# Altium PCB miniBackplane.PcbDoc (part 19 of 24) (continued)
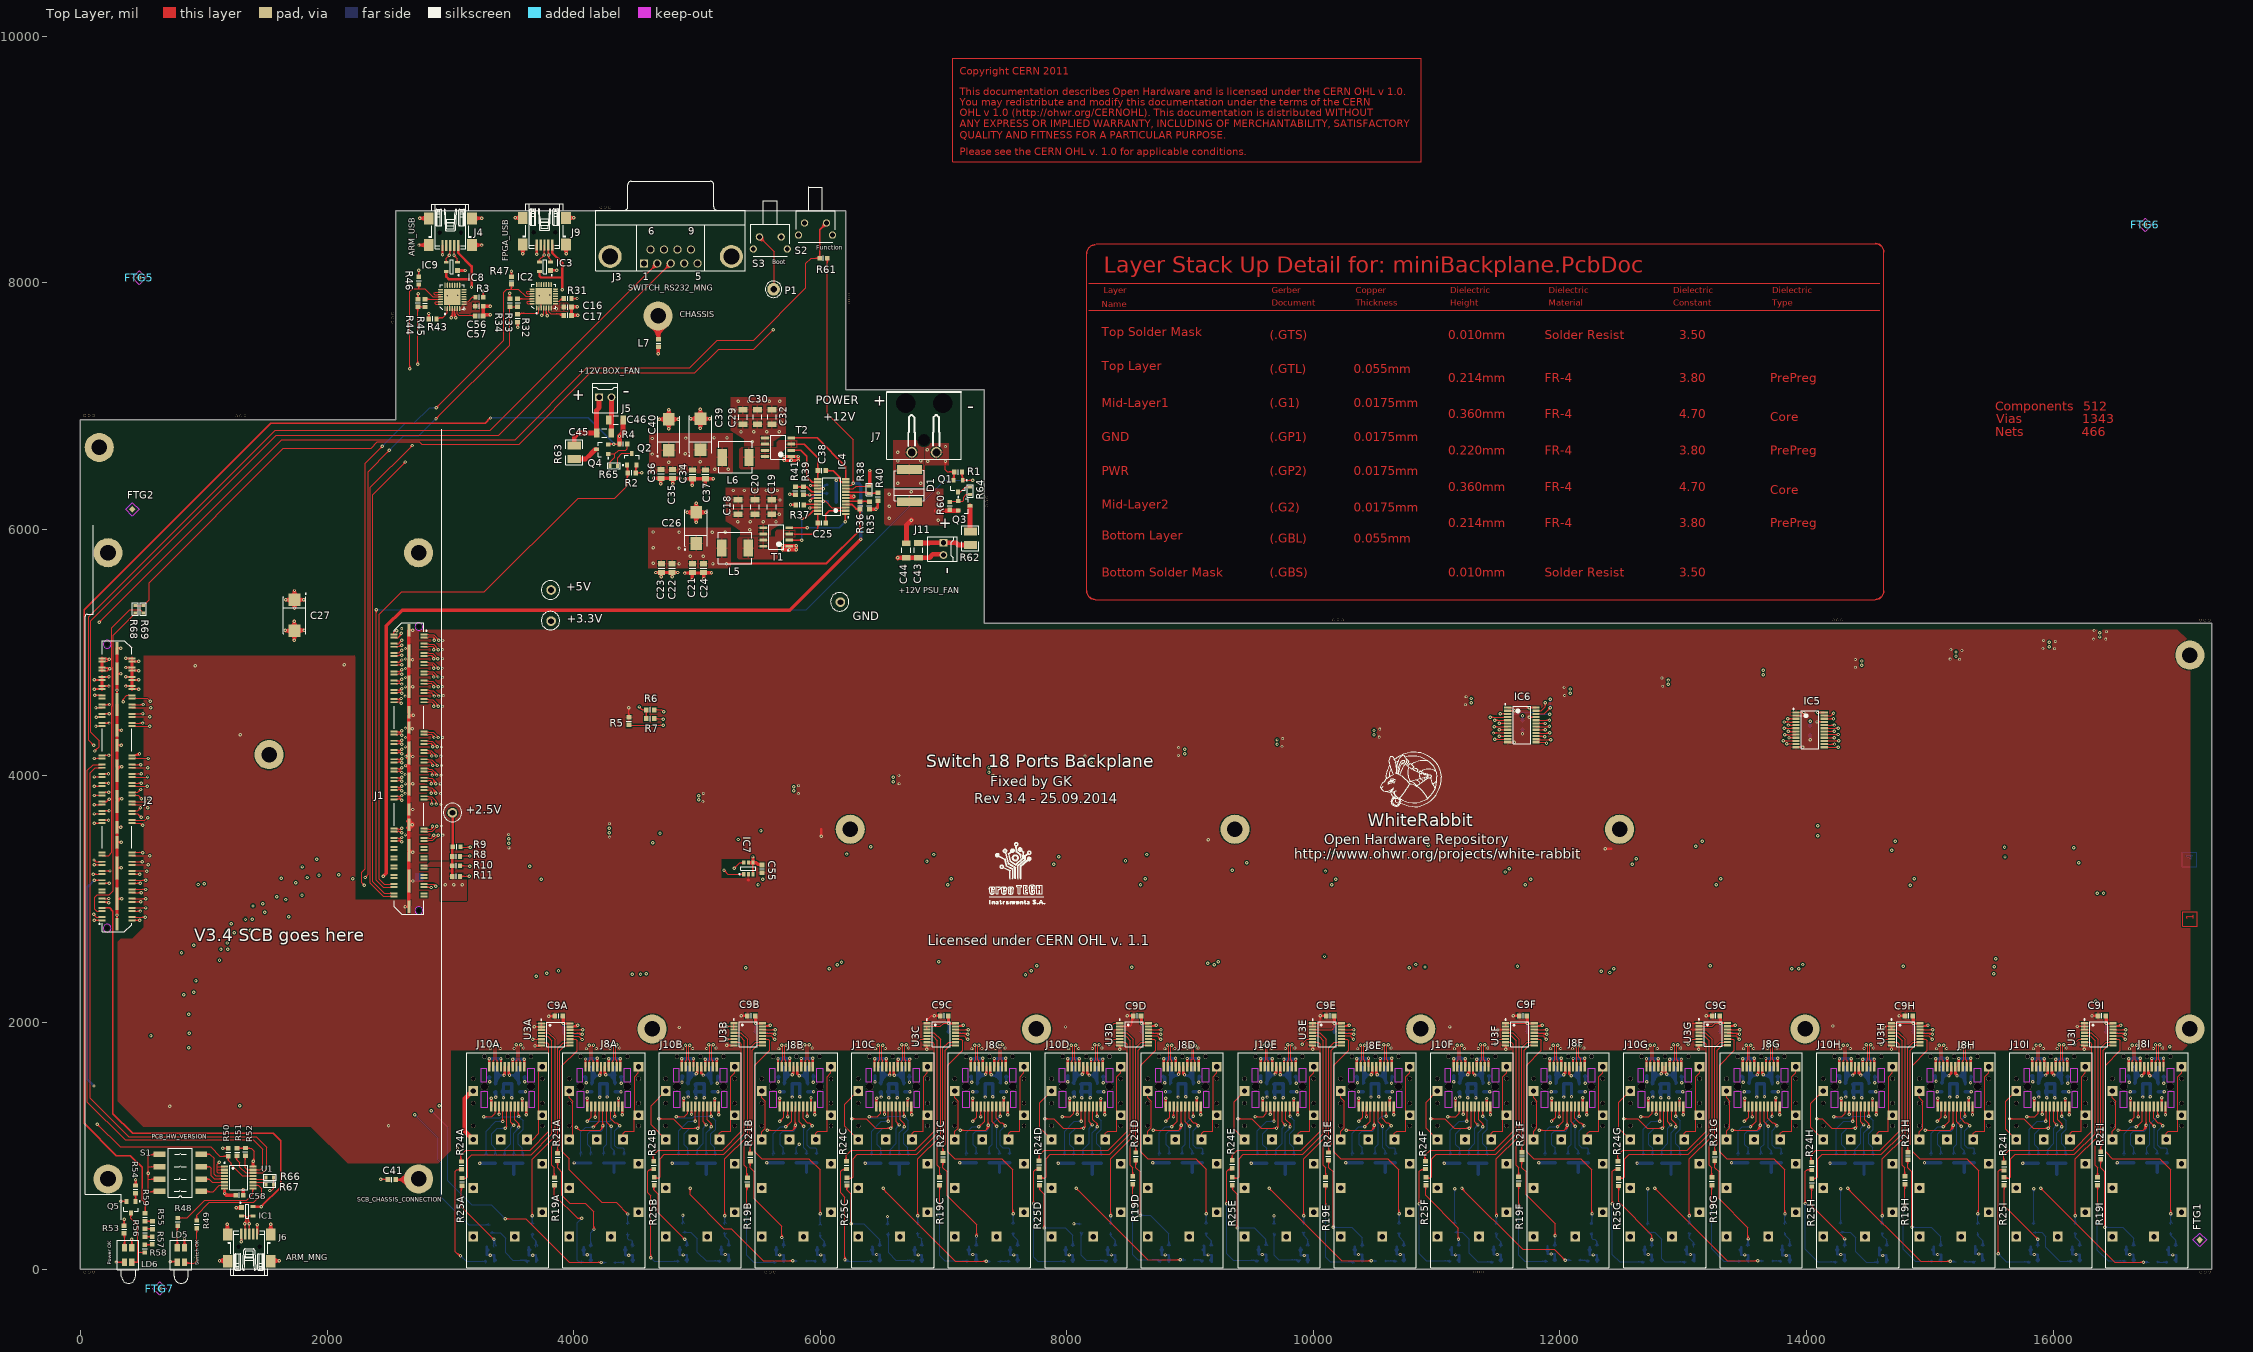
[diagram p0: Top Layer view]
## Nets (pads, with @x,y where several pads share a name; then routed paths per layer and width w, separated by ;. In a path a pad name is that pad's centre, name@x,y a point inside that pad or via, vN(x,y) a via of type N, cw(c..) or ccw(c..) an arc to the next point about the centre after c; other vN are vias at no path point) (continued)
  Top Layer w11.81: IC4.8@6209.97,6302.35 R38.2@6391.74,6302.35 ; 6367.48,6296.84 ccw(c6377.19,6313.67) R38.2@6390.96,6299.96 ; 6380.78,6289.16 ccw(c6388.45,6302.46) R38.2@6399.33,6291.62 ; R38.2@6399.33,6291.62 ccw(c6373.42,6265.71) 6373.42,6302.35 cw(c6373.42,6265.71) R38.2@6399.33,6291.62 ; IC4.8@6230.76,6306.41 ccw(c6240.55,6316.2) 6240.55,6302.35 cw(c6240.55,6316.2) IC4.8@6230.76,6306.41 ; 6344.91,6302.35 cw(c6344.91,6237.2) 6390.98,6283.27 ccw(c6344.91,6237.2) 6344.91,6302.35
NetIC4_12: IC4.12 T2.4 | length 686.1
  Top Layer w11.81: T2.4@5765.13,6740.94 5976.13,6740.94 6208,6509.07 IC4.12@6208,6406.68 ; 5798.08,6740.94 ccw(c5798.08,6726.68) 5788,6736.76 cw(c5798.08,6726.68) 5798.08,6740.94 ; 5798.08,6740.94 cw(c5798.08,6755.19) 5788,6745.11 ccw(c5798.08,6755.19) 5798.08,6740.94
NetIC4_14: IC4.14 T2.2 | length 463.6
  Top Layer w11.81: T2.2@5765.13,6640.94 5841.13,6640.94 5889.2,6592.87 5889.2,6427.87 5935.98,6381.09 IC4.14@5979.65,6381.09 ; 5798.08,6640.94 ccw(c5798.08,6626.68) 5788,6636.76 cw(c5798.08,6626.68) 5798.08,6640.94 ; 5798.08,6640.94 cw(c5798.08,6655.19) 5788,6645.11 ccw(c5798.08,6655.19) 5798.08,6640.94
NetIC4_16: IC4.16 R42.1 | length 411.7
  Top Layer w11.81: IC4.16@5979.65,6329.91 v1(6027.16,6329.91) ; IC4.16@6001.8,6327.36 cw(c6008.82,6315.19) 6012.46,6328.76 ; IC4.16@6001.8,6332.47 ccw(c6008.82,6344.63) 6012.46,6331.07 ; IC4.16@6008.15,6329.91 ccw(c6008.15,6348.92) 6021.59,6335.48 cw(c6008.15,6348.92) IC4.16@6008.15,6329.91 ; IC4.16@6008.15,6329.91 cw(c6008.15,6310.9) 6021.59,6324.35 ccw(c6008.15,6310.9) IC4.16@6008.15,6329.91
  Bottom Layer w11.81: v1(6027.16,6329.91) 6029.2,6331.95 6029.2,6347.87 ; R42.1@6067.33,6360.94 6042.26,6360.94 ; 6029.2,6347.87 cw(c6015.85,6347.87) 6022.96,6336.58 ccw(c6015.85,6347.87) 6029.2,6347.87 ; 6029.2,6347.87 6042.26,6360.94 ; 6042.26,6360.94 ccw(c6042.26,6381.64) 6058.22,6368.46 cw(c6042.26,6381.64) 6042.26,6360.94 ; 6042.26,6360.94 cw(c6042.26,6340.24) 6058.22,6353.42 ccw(c6042.26,6340.24) 6042.26,6360.94 ; 6042.26,6360.94 ccw(c6063.11,6340.08) 6034.73,6332.06 cw(c6063.11,6340.08) 6042.26,6360.94 ; v1@6023.37,6328.84 cw(c6040.92,6333.8) 6028.02,6346.7 ccw(c6040.92,6333.8) v1@6023.37,6328.84 ; 6029.2,6344 ccw(c6041.24,6344) 6032.73,6335.48 cw(c6041.24,6344) 6029.2,6344
NetIC4_17: IC4.17 R39.2 R41.1 | length 456.3
  Top Layer w11.81: R41.1@5799.2,6344.37 R39.2@5864.2,6344.37 5892.7,6344.37 ; IC4.17@5979.65,6304.32 5932.75,6304.32 5892.7,6344.37 ; 5829.68,6344.37 ccw(c5829.68,6315.86) 5809.52,6336.02 cw(c5829.68,6315.86) 5829.68,6344.37 ; 5829.68,6344.37 cw(c5829.68,6372.88) 5809.52,6352.72 ccw(c5829.68,6372.88) 5829.68,6344.37 ; 5833.71,6344.37 ccw(c5833.71,6372.88) 5853.88,6352.72 cw(c5833.71,6372.88) 5833.71,6344.37 ; 5833.71,6344.37 cw(c5833.71,6315.86) 5853.88,6336.02 ccw(c5833.71,6315.86) 5833.71,6344.37 ; 5892.7,6344.37 ccw(c5892.7,6320.47) 5874.94,6336.47 cw(c5892.7,6320.47) 5892.7,6344.37 ; 5892.7,6344.37 cw(c5892.7,6368.27) 5874.94,6352.27 ccw(c5892.7,6368.27) 5892.7,6344.37
NetIC4_21: IC4.21 R37.1 | length 203.5
  Top Layer w11.81: R37.1@5865.69,6201.96 IC4.21@5979.65,6201.96 ; R37.1@5874.04,6191.49 cw(c5899.32,6166.21) 5899.32,6201.96 ccw(c5899.32,6166.21) R37.1@5874.04,6191.49 ; R37.1@5874.04,6208.19 ccw(c5889.09,6223.24) 5889.09,6201.96 cw(c5889.09,6223.24) R37.1@5874.04,6208.19
NetIC4_23: IC4.23 T1.2 | length 713.9
  Top Layer w11.81: T1.2@5750.5,5912.87 v1(5849.2,5912.87) ; v1(5849.2,6087.87) 5879.2,6087.87 5942.1,6150.78 IC4.23@5979.65,6150.78 ; 5783.45,5912.87 ccw(c5783.45,5898.62) 5773.37,5908.7 cw(c5783.45,5898.62) 5783.45,5912.87 ; 5783.45,5912.87 cw(c5783.45,5927.13) 5773.37,5917.05 ccw(c5783.45,5927.13) 5783.45,5912.87 ; 5830.19,5912.87 ccw(c5830.19,5931.88) 5843.63,5918.44 cw(c5830.19,5931.88) 5830.19,5912.87 ; 5830.19,5912.87 cw(c5830.19,5893.86) 5843.63,5907.31 ccw(c5830.19,5893.86) 5830.19,5912.87 ; 5868.21,6087.87 ccw(c5868.21,6068.86) 5854.76,6082.31 cw(c5868.21,6068.86) 5868.21,6087.87 ; 5868.21,6087.87 cw(c5868.21,6106.88) 5854.76,6093.44 ccw(c5868.21,6106.88) 5868.21,6087.87
  Bottom Layer w11.81: v1(5849.2,5912.87) v1(5849.2,6087.87) ; 5849.2,5931.88 ccw(c5868.21,5931.88) 5854.76,5918.44 cw(c5868.21,5931.88) 5849.2,5931.88 ; 5849.2,5931.88 cw(c5830.19,5931.88) 5843.63,5918.44 ccw(c5830.19,5931.88) 5849.2,5931.88 ; 5849.2,6068.86 ccw(c5830.19,6068.86) 5843.63,6082.31 cw(c5830.19,6068.86) 5849.2,6068.86 ; 5849.2,6068.86 cw(c5868.21,6068.86) 5854.76,6082.31 ccw(c5868.21,6068.86) 5849.2,6068.86
NetIC8_2: IC8.2 R43.1 | length 301.7
  Top Layer w7.87: R43.1@2888.5,7707 2898.5,7717 2938,7717 ; R43.1@2902.1,7706.78 cw(c2912.31,7705.13) 2906.75,7713.85 ; IC8.2@2976.63,7790.51 2976.63,7755.63 2938,7717 ; 2938,7717 ccw(c2938,7663.7) 2898.66,7699.67 cw(c2938,7663.7) 2938,7717 ; R43.1@2892.85,7704.98 cw(c2920.13,7680.04) 2920.13,7717 ccw(c2920.13,7680.04) R43.1@2892.85,7704.98
NetIC8_9: IC8.9 R3.2 | length 170.1
  Top Layer w7.87: IC8.9@3110.49,7845.63 3143.63,7845.63 3180,7882 ; R3.2@3204.5,7882 3180,7882 ; 3180,7882 ccw(c3180,7896.9) 3192.73,7889.16 cw(c3180,7896.9) 3180,7882 ; 3180,7882 cw(c3180,7867.1) 3192.73,7874.84 ccw(c3180,7867.1) 3180,7882
NetIC8_23: IC8.23 IC8.24 | length 127.2
  Top Layer w7.87: IC8.24@2921.51,7904.68 2920.83,7904 2874,7904 2871,7907 2871,7917.74 2877.63,7924.37 IC8.23@2921.51,7924.37 ; 2900.34,7904 ccw(c2900.34,7911.09) 2905.36,7906.08 cw(c2900.34,7911.09) 2900.34,7904
NetIC8_26: IC8.26 R45.1 | length 231.5
  Top Layer w7.87: R45.1@2795,7866.5 2796.18,7865.32 IC8.26@2921.51,7865.32 ; R45.1@2806.71,7856.75 cw(c2827.38,7836.08) 2827.38,7865.32 ccw(c2827.38,7836.08) R45.1@2806.71,7856.75 ; R45.1@2806.71,7876.24 ccw(c2833.09,7902.61) 2833.09,7865.32 cw(c2833.09,7902.61) R45.1@2806.71,7876.24
NetIC8_27: IC8.27 IC8.28 | length 103.6
  Top Layer w7.87: IC8.28@2921.51,7825.94 2921.46,7826 2880,7826 2877,7829 2877,7840 2882.63,7845.63 IC8.27@2921.51,7845.63
NetJ3_1: J3.1 J3.4 J3.6 | length 1869
  Mid-Layer 2 w11.81: J3.1@4569.89,8157.08 4569.89,8214.36 ; 4591.2,8247.03 cw(c4631.08,8236.35) J3.6@4622.8,8276.8 ; 4602.56,8235.67 ccw(c4591.87,8275.55) J3.6@4632.32,8267.27 ; J3.6@4616.51,8267.27 ccw(c4656.96,8275.55) 4646.27,8235.67 ; J3.6@4626.04,8276.8 cw(c4617.75,8236.35) 4657.64,8247.03 ; 4863.84,8178.94 ccw(c4903.72,8189.62) J3.4@4895.44,8149.17 ; 4875.2,8190.3 cw(c4864.51,8150.41) J3.4@4904.96,8158.7 ; J3.4@4897.05,8157.08 4841.13,8213 4680.31,8213 J3.6@4624.42,8268.89 4569.89,8214.36 ; 4569.89,8214.36 ccw(c4616.17,8214.36) 4587.08,8178.36 cw(c4616.17,8214.36) 4569.89,8214.36 ; 4569.89,8214.36 cw(c4523.61,8214.36) 4552.69,8178.36 ccw(c4523.61,8214.36) 4569.89,8214.36 ; 4577.71,8222.18 ccw(c4531,8268.89) 4597.05,8268.89 cw(c4531,8268.89) 4577.71,8222.18 ; 4577.71,8222.18 cw(c4624.42,8175.47) J3.6@4624.42,8241.53 ; 4577.71,8222.18 cw(c4624.42,8175.47) J3.6@4624.42,8241.53 ; 4597.87,8242.34 ccw(c4571.32,8268.89) 4608.87,8268.89 cw(c4571.32,8268.89) 4597.87,8242.34 ; 4597.87,8242.34 cw(c4624.42,8215.79) J3.6@4624.42,8253.34 ; 4597.87,8242.34 cw(c4624.42,8215.79) J3.6@4624.42,8253.34 ; J3.6@4624.42,8241.53 cw(c4624.42,8175.47) 4671.13,8222.18 ; J3.6@4624.42,8241.53 cw(c4624.42,8175.47) 4671.13,8222.18 ; J3.6@4624.42,8253.34 cw(c4624.42,8215.79) 4650.96,8242.34 ; J3.6@4624.42,8253.34 cw(c4624.42,8215.79) 4650.96,8242.34 ; 4650.96,8242.34 cw(c4677.51,8268.89) 4639.97,8268.89 ccw(c4677.51,8268.89) 4650.96,8242.34 ; 4671.13,8222.18 cw(c4717.84,8268.89) 4651.78,8268.89 ccw(c4717.84,8268.89) 4671.13,8222.18 ; 4850.34,8203.79 ccw(c4897.05,8250.5) 4897.05,8184.44 cw(c4897.05,8250.5) 4850.34,8203.79 ; 4850.34,8203.79 cw(c4803.63,8157.08) 4869.69,8157.08 ccw(c4803.63,8157.08) 4850.34,8203.79 ; 4870.51,8183.63 ccw(c4897.05,8210.17) 4897.05,8172.63 cw(c4897.05,8210.17) 4870.51,8183.63 ; 4870.51,8183.63 cw(c4843.96,8157.08) 4881.5,8157.08 ccw(c4843.96,8157.08) 4870.51,8183.63
NetJ3_7: J3.7 J3.8 | length 760
  Mid-Layer 2 w11.81: J3.7@4733.47,8268.89 J3.8@4842.53,8268.89 ; 4771.02,8268.89 ccw(c4771.02,8231.35) 4744.47,8257.89 cw(c4771.02,8231.35) 4771.02,8268.89 ; 4771.02,8268.89 cw(c4771.02,8306.43) 4744.47,8279.89 ccw(c4771.02,8306.43) 4771.02,8268.89 ; 4776.47,8268.89 ccw(c4776.47,8334.95) 4823.18,8288.24 cw(c4776.47,8334.95) 4776.47,8268.89 ; 4776.47,8268.89 cw(c4776.47,8202.83) 4823.18,8249.54 ccw(c4776.47,8202.83) 4776.47,8268.89 ; 4799.53,8268.89 ccw(c4799.53,8202.83) 4752.82,8249.54 cw(c4799.53,8202.83) 4799.53,8268.89 ; 4799.53,8268.89 cw(c4799.53,8334.95) 4752.82,8288.24 ccw(c4799.53,8334.95) 4799.53,8268.89 ; 4804.98,8268.89 ccw(c4804.98,8306.43) 4831.53,8279.89 cw(c4804.98,8306.43) 4804.98,8268.89 ; 4804.98,8268.89 cw(c4804.98,8231.35) 4831.53,8257.89 ccw(c4804.98,8231.35) 4804.98,8268.89
NetJ8A_7: J8A.7 R14A.2 | length 848.4
  Top Layer w7.87: J8A.7@4301.18,1318.39 4301.18,1220.45 4334.67,1186.96 4349.67,1186.96 v1(4374.67,1161.96) ; 4359.19,1175.95 cw(c4354.33,1157.79) v1@4372.74,1161.57 ; 4360.68,1177.44 ccw(c4378.83,1182.3) v1@4375.06,1163.89 ; 4301.18,1274.6 ccw(c4286.92,1274.6) 4297.01,1284.68 cw(c4286.92,1274.6) 4301.18,1274.6 ; 4301.18,1274.6 cw(c4315.44,1274.6) 4305.36,1284.68 ccw(c4315.44,1274.6) 4301.18,1274.6 ; 4357.87,1178.76 ccw(c4374.67,1195.57) 4374.67,1171.8 cw(c4374.67,1195.57) 4357.87,1178.76 ; 4357.87,1178.76 cw(c4341.06,1161.96) 4364.83,1161.96 ccw(c4341.06,1161.96) 4357.87,1178.76
  Bottom Layer w7.87: v1(4374.67,1161.96) 4334.67,1121.96 4334.67,1001.96 4354.67,981.96 4399.67,981.96 4409.67,971.96 R14A.2@4409.67,923.46 ; 4357.87,1145.16 ccw(c4341.06,1161.96) 4364.83,1161.96 cw(c4341.06,1161.96) 4357.87,1145.16 ; 4357.87,1145.16 cw(c4374.67,1128.36) 4374.67,1152.12 ccw(c4374.67,1128.36) 4357.87,1145.16 ; 4409.67,956.72 ccw(c4442.94,956.72) 4419.41,933.2 cw(c4442.94,956.72) 4409.67,956.72 ; 4409.67,956.72 cw(c4376.4,956.72) 4399.93,933.2 ccw(c4376.4,956.72) 4409.67,956.72
NetJ8B_7: J8B.7 R14B.2 | length 848.4
  Top Layer w7.87: J8B.7@5862.64,1320.04 5862.64,1222.1 5896.13,1188.61 5911.13,1188.61 v1(5936.13,1163.61) ; 5920.65,1177.6 cw(c5915.78,1159.45) v1@5934.2,1163.22 ; 5922.14,1179.09 ccw(c5940.29,1183.96) v1@5936.52,1165.54 ; 5862.64,1274.6 ccw(c5848.38,1274.6) 5858.46,1284.68 cw(c5848.38,1274.6) 5862.64,1274.6 ; 5862.64,1274.6 cw(c5876.89,1274.6) 5866.81,1284.68 ccw(c5876.89,1274.6) 5862.64,1274.6 ; 5919.32,1180.42 ccw(c5936.13,1197.22) 5936.13,1173.46 cw(c5936.13,1197.22) 5919.32,1180.42 ; 5919.32,1180.42 cw(c5902.52,1163.61) 5926.28,1163.61 ccw(c5902.52,1163.61) 5919.32,1180.42
  Bottom Layer w7.87: v1(5936.13,1163.61) 5896.13,1123.61 5896.13,1003.61 5916.13,983.61 5961.13,983.61 5971.13,973.61 R14B.2@5971.13,925.11 ; 5919.32,1146.81 ccw(c5902.52,1163.61) 5926.28,1163.61 cw(c5902.52,1163.61) 5919.32,1146.81 ; 5919.32,1146.81 cw(c5936.13,1130.01) 5936.13,1153.77 ccw(c5936.13,1130.01) 5919.32,1146.81 ; 5971.13,958.38 ccw(c6004.39,958.38) 5980.87,934.85 cw(c6004.39,958.38) 5971.13,958.38 ; 5971.13,958.38 cw(c5937.86,958.38) 5961.38,934.85 ccw(c5937.86,958.38) 5971.13,958.38
NetJ8C_7: J8C.7 R14C.2 | length 848.4
  Top Layer w7.87: J8C.7@7427.64,1320.05 7427.64,1222.11 7461.13,1188.62 7476.13,1188.62 v1(7501.13,1163.62) ; 7485.65,1177.61 cw(c7480.78,1159.46) v1@7499.2,1163.23 ; 7487.14,1179.1 ccw(c7505.29,1183.96) v1@7501.52,1165.55 ; 7427.64,1274.6 ccw(c7413.38,1274.6) 7423.46,1284.68 cw(c7413.38,1274.6) 7427.64,1274.6 ; 7427.64,1274.6 cw(c7441.89,1274.6) 7431.81,1284.68 ccw(c7441.89,1274.6) 7427.64,1274.6 ; 7484.32,1180.42 ccw(c7501.13,1197.23) 7501.13,1173.46 cw(c7501.13,1197.23) 7484.32,1180.42 ; 7484.32,1180.42 cw(c7467.52,1163.62) 7491.28,1163.62 ccw(c7467.52,1163.62) 7484.32,1180.42
  Bottom Layer w7.87: v1(7501.13,1163.62) 7461.13,1123.62 7461.13,1003.62 7481.13,983.62 7526.13,983.62 7536.13,973.62 R14C.2@7536.13,925.12 ; 7484.32,1146.82 ccw(c7467.52,1163.62) 7491.28,1163.62 cw(c7467.52,1163.62) 7484.32,1146.82 ; 7484.32,1146.82 cw(c7501.13,1130.02) 7501.13,1153.78 ccw(c7501.13,1130.02) 7484.32,1146.82 ; 7536.13,958.38 ccw(c7569.39,958.38) 7545.87,934.86 cw(c7569.39,958.38) 7536.13,958.38 ; 7536.13,958.38 cw(c7502.86,958.38) 7526.38,934.86 ccw(c7502.86,958.38) 7536.13,958.38
NetJ8D_7: J8D.7 R14D.2 | length 848.4
  Top Layer w7.87: J8D.7@8992.64,1320.05 8992.64,1222.11 9026.13,1188.62 9041.13,1188.62 v1(9066.13,1163.62) ; 9050.65,1177.61 cw(c9045.78,1159.46) v1@9064.2,1163.23 ; 9052.14,1179.1 ccw(c9070.29,1183.96) v1@9066.52,1165.55 ; 8992.64,1274.6 ccw(c8978.38,1274.6) 8988.46,1284.68 cw(c8978.38,1274.6) 8992.64,1274.6 ; 8992.64,1274.6 cw(c9006.89,1274.6) 8996.81,1284.68 ccw(c9006.89,1274.6) 8992.64,1274.6 ; 9049.32,1180.42 ccw(c9066.13,1197.23) 9066.13,1173.46 cw(c9066.13,1197.23) 9049.32,1180.42 ; 9049.32,1180.42 cw(c9032.52,1163.62) 9056.28,1163.62 ccw(c9032.52,1163.62) 9049.32,1180.42
  Bottom Layer w7.87: v1(9066.13,1163.62) 9026.13,1123.62 9026.13,1003.62 9046.13,983.62 9091.13,983.62 9101.13,973.62 R14D.2@9101.13,925.12 ; 9049.32,1146.82 ccw(c9032.52,1163.62) 9056.28,1163.62 cw(c9032.52,1163.62) 9049.32,1146.82 ; 9049.32,1146.82 cw(c9066.13,1130.02) 9066.13,1153.78 ccw(c9066.13,1130.02) 9049.32,1146.82 ; 9101.13,958.38 ccw(c9134.39,958.38) 9110.87,934.86 cw(c9134.39,958.38) 9101.13,958.38 ; 9101.13,958.38 cw(c9067.86,958.38) 9091.38,934.86 ccw(c9067.86,958.38) 9101.13,958.38
NetJ8E_7: J8E.7 R14E.2 | length 848.4
  Top Layer w7.87: J8E.7@10557.64,1320.05 10557.64,1222.11 10591.13,1188.62 10606.13,1188.62 v1(10631.13,1163.62) ; 10615.65,1177.61 cw(c10610.78,1159.46) v1@10629.2,1163.23 ; 10617.14,1179.1 ccw(c10635.29,1183.96) v1@10631.52,1165.55 ; 10557.64,1274.6 ccw(c10543.38,1274.6) 10553.46,1284.68 cw(c10543.38,1274.6) 10557.64,1274.6 ; 10557.64,1274.6 cw(c10571.89,1274.6) 10561.81,1284.68 ccw(c10571.89,1274.6) 10557.64,1274.6 ; 10614.32,1180.42 ccw(c10631.13,1197.23) 10631.13,1173.46 cw(c10631.13,1197.23) 10614.32,1180.42 ; 10614.32,1180.42 cw(c10597.52,1163.62) 10621.28,1163.62 ccw(c10597.52,1163.62) 10614.32,1180.42
  Bottom Layer w7.87: v1(10631.13,1163.62) 10591.13,1123.62 10591.13,1003.62 10611.13,983.62 10656.13,983.62 10666.13,973.62 R14E.2@10666.13,925.12 ; 10614.32,1146.82 ccw(c10597.52,1163.62) 10621.28,1163.62 cw(c10597.52,1163.62) 10614.32,1146.82 ; 10614.32,1146.82 cw(c10631.13,1130.02) 10631.13,1153.78 ccw(c10631.13,1130.02) 10614.32,1146.82 ; 10666.13,958.38 ccw(c10699.39,958.38) 10675.87,934.86 cw(c10699.39,958.38) 10666.13,958.38 ; 10666.13,958.38 cw(c10632.86,958.38) 10656.38,934.86 ccw(c10632.86,958.38) 10666.13,958.38
NetJ8F_7: J8F.7 R14F.2 | length 848.4
  Top Layer w7.87: J8F.7@12122.2,1320.05 12122.2,1222.11 12155.69,1188.62 12170.69,1188.62 v1(12195.69,1163.62) ; 12180.22,1177.61 cw(c12175.35,1159.46) v1@12193.76,1163.23 ; 12181.7,1179.1 ccw(c12199.86,1183.96) v1@12196.09,1165.55 ; 12122.2,1274.6 ccw(c12107.95,1274.6) 12118.03,1284.68 cw(c12107.95,1274.6) 12122.2,1274.6 ; 12122.2,1274.6 cw(c12136.46,1274.6) 12126.38,1284.68 ccw(c12136.46,1274.6) 12122.2,1274.6 ; 12178.89,1180.42 ccw(c12195.69,1197.23) 12195.69,1173.46 cw(c12195.69,1197.23) 12178.89,1180.42 ; 12178.89,1180.42 cw(c12162.09,1163.62) 12185.85,1163.62 ccw(c12162.09,1163.62) 12178.89,1180.42
  Bottom Layer w7.87: v1(12195.69,1163.62) 12155.69,1123.62 12155.69,1003.62 12175.69,983.62 12220.69,983.62 12230.69,973.62 R14F.2@12230.69,925.12 ; 12178.89,1146.82 ccw(c12162.09,1163.62) 12185.85,1163.62 cw(c12162.09,1163.62) 12178.89,1146.82 ; 12178.89,1146.82 cw(c12195.69,1130.02) 12195.69,1153.78 ccw(c12195.69,1130.02) 12178.89,1146.82 ; 12230.69,958.38 ccw(c12263.96,958.38) 12240.44,934.86 cw(c12263.96,958.38) 12230.69,958.38 ; 12230.69,958.38 cw(c12197.43,958.38) 12220.95,934.86 ccw(c12197.43,958.38) 12230.69,958.38
NetJ8G_7: J8G.7 R14G.2 | length 848.4
  Top Layer w7.87: J8G.7@13687.2,1320.05 13687.2,1222.11 13720.69,1188.62 13735.69,1188.62 v1(13760.69,1163.62) ; 13745.22,1177.61 cw(c13740.35,1159.46) v1@13758.76,1163.23 ; 13746.7,1179.1 ccw(c13764.86,1183.96) v1@13761.09,1165.55 ; 13687.2,1274.6 ccw(c13672.95,1274.6) 13683.03,1284.68 cw(c13672.95,1274.6) 13687.2,1274.6 ; 13687.2,1274.6 cw(c13701.46,1274.6) 13691.38,1284.68 ccw(c13701.46,1274.6) 13687.2,1274.6 ; 13743.89,1180.42 ccw(c13760.69,1197.23) 13760.69,1173.46 cw(c13760.69,1197.23) 13743.89,1180.42 ; 13743.89,1180.42 cw(c13727.09,1163.62) 13750.85,1163.62 ccw(c13727.09,1163.62) 13743.89,1180.42
  Bottom Layer w7.87: v1(13760.69,1163.62) 13720.69,1123.62 13720.69,1003.62 13740.69,983.62 13785.69,983.62 13795.69,973.62 R14G.2@13795.69,925.12 ; 13743.89,1146.82 ccw(c13727.09,1163.62) 13750.85,1163.62 cw(c13727.09,1163.62) 13743.89,1146.82 ; 13743.89,1146.82 cw(c13760.69,1130.02) 13760.69,1153.78 ccw(c13760.69,1130.02) 13743.89,1146.82 ; 13795.69,958.38 ccw(c13828.96,958.38) 13805.44,934.86 cw(c13828.96,958.38) 13795.69,958.38 ; 13795.69,958.38 cw(c13762.43,958.38) 13785.95,934.86 ccw(c13762.43,958.38) 13795.69,958.38
NetJ8H_7: J8H.7 R14H.2 | length 848.4
  Top Layer w7.87: J8H.7@15252.2,1320.05 15252.2,1222.11 15285.69,1188.62 15300.69,1188.62 v1(15325.69,1163.62) ; 15310.22,1177.61 cw(c15305.35,1159.46) v1@15323.76,1163.23 ; 15311.7,1179.1 ccw(c15329.86,1183.96) v1@15326.09,1165.55 ; 15252.2,1274.6 ccw(c15237.95,1274.6) 15248.03,1284.68 cw(c15237.95,1274.6) 15252.2,1274.6 ; 15252.2,1274.6 cw(c15266.46,1274.6) 15256.38,1284.68 ccw(c15266.46,1274.6) 15252.2,1274.6 ; 15308.89,1180.42 ccw(c15325.69,1197.23) 15325.69,1173.46 cw(c15325.69,1197.23) 15308.89,1180.42 ; 15308.89,1180.42 cw(c15292.09,1163.62) 15315.85,1163.62 ccw(c15292.09,1163.62) 15308.89,1180.42
  Bottom Layer w7.87: v1(15325.69,1163.62) 15285.69,1123.62 15285.69,1003.62 15305.69,983.62 15350.69,983.62 15360.69,973.62 R14H.2@15360.69,925.12 ; 15308.89,1146.82 ccw(c15292.09,1163.62) 15315.85,1163.62 cw(c15292.09,1163.62) 15308.89,1146.82 ; 15308.89,1146.82 cw(c15325.69,1130.02) 15325.69,1153.78 ccw(c15325.69,1130.02) 15308.89,1146.82 ; 15360.69,958.38 ccw(c15393.96,958.38) 15370.44,934.86 cw(c15393.96,958.38) 15360.69,958.38 ; 15360.69,958.38 cw(c15327.43,958.38) 15350.95,934.86 ccw(c15327.43,958.38) 15360.69,958.38
NetJ8I_7: J8I.7 R14I.2 | length 848.4
  Top Layer w7.87: J8I.7@16817.2,1320.05 16817.2,1222.11 16850.69,1188.62 16865.69,1188.62 v1(16890.69,1163.62) ; 16875.22,1177.61 cw(c16870.35,1159.46) v1@16888.76,1163.23 ; 16876.7,1179.1 ccw(c16894.86,1183.96) v1@16891.09,1165.55 ; 16817.2,1274.6 ccw(c16802.95,1274.6) 16813.03,1284.68 cw(c16802.95,1274.6) 16817.2,1274.6 ; 16817.2,1274.6 cw(c16831.46,1274.6) 16821.38,1284.68 ccw(c16831.46,1274.6) 16817.2,1274.6 ; 16873.89,1180.42 ccw(c16890.69,1197.23) 16890.69,1173.46 cw(c16890.69,1197.23) 16873.89,1180.42 ; 16873.89,1180.42 cw(c16857.09,1163.62) 16880.85,1163.62 ccw(c16857.09,1163.62) 16873.89,1180.42
  Bottom Layer w7.87: v1(16890.69,1163.62) 16850.69,1123.62 16850.69,1003.62 16870.69,983.62 16915.69,983.62 16925.69,973.62 R14I.2@16925.69,925.12 ; 16873.89,1146.82 ccw(c16857.09,1163.62) 16880.85,1163.62 cw(c16857.09,1163.62) 16873.89,1146.82 ; 16873.89,1146.82 cw(c16890.69,1130.02) 16890.69,1153.78 ccw(c16890.69,1130.02) 16873.89,1146.82 ; 16925.69,958.38 ccw(c16958.96,958.38) 16935.44,934.86 cw(c16958.96,958.38) 16925.69,958.38 ; 16925.69,958.38 cw(c16892.43,958.38) 16915.95,934.86 ccw(c16892.43,958.38) 16925.69,958.38
NetJ10A_7: J10A.7 R28A.2 | length 825.2
  Top Layer w7.87: J10A.7@3521.18,1318.39 3521.18,1210.45 3554.67,1176.96 v1(3554.67,1151.96) ; 3521.18,1274.6 ccw(c3506.92,1274.6) 3517.01,1284.68 cw(c3506.92,1274.6) 3521.18,1274.6 ; 3521.18,1274.6 cw(c3535.44,1274.6) 3525.36,1284.68 ccw(c3535.44,1274.6) 3521.18,1274.6 ; 3554.67,1175.72 ccw(c3578.43,1175.72) 3561.63,1158.92 cw(c3578.43,1175.72) 3554.67,1175.72 ; 3554.67,1175.72 cw(c3530.91,1175.72) 3547.71,1158.92 ccw(c3530.91,1175.72) 3554.67,1175.72
  Bottom Layer w7.87: R28A.2@3515.35,920.87 3515.35,1102.65 3554.67,1141.96 v1(3554.67,1151.96) ; 3538.76,1129.32 cw(c3570.81,1120.74) v1@3555.57,1150.21 ; v1@3546.22,1146.91 cw(c3532.25,1138.55) 3547.98,1134.33 cw(c3558.61,1131.48) v1@3556.53,1142.3 ; 3515.35,954.13 ccw(c3548.62,954.13) 3525.1,930.61 cw(c3548.62,954.13) 3515.35,954.13 ; 3515.35,954.13 cw(c3482.09,954.13) 3505.61,930.61 ccw(c3482.09,954.13) 3515.35,954.13 ; 3530.8,1118.09 ccw(c3496.92,1151.96) 3544.83,1151.96 cw(c3496.92,1151.96) 3530.8,1118.09 ; 3544.24,1131.53 ccw(c3523.81,1151.96) 3552.7,1151.96 cw(c3523.81,1151.96) 3544.24,1131.53
NetJ10B_7: J10B.7 R28B.2 | length 825.2
  Top Layer w7.87: J10B.7@5082.64,1320.04 5082.64,1212.1 5116.13,1178.61 v1(5116.13,1153.61) ; 5082.64,1274.6 ccw(c5068.38,1274.6) 5078.46,1284.68 cw(c5068.38,1274.6) 5082.64,1274.6 ; 5082.64,1274.6 cw(c5096.89,1274.6) 5086.81,1284.68 ccw(c5096.89,1274.6) 5082.64,1274.6 ; 5116.13,1177.38 ccw(c5139.89,1177.38) 5123.09,1160.57 cw(c5139.89,1177.38) 5116.13,1177.38 ; 5116.13,1177.38 cw(c5092.36,1177.38) 5109.17,1160.57 ccw(c5092.36,1177.38) 5116.13,1177.38
  Bottom Layer w7.87: R28B.2@5076.81,922.52 5076.81,1104.3 5116.13,1143.61 v1(5116.13,1153.61) ; 5100.22,1130.98 cw(c5132.27,1122.39) v1@5117.03,1151.87 ; v1@5107.68,1148.56 cw(c5093.71,1140.2) 5109.43,1135.99 cw(c5120.07,1133.14) v1@5117.99,1143.95 ; 5076.81,955.79 ccw(c5110.08,955.79) 5086.55,932.26 cw(c5110.08,955.79) 5076.81,955.79 ; 5076.81,955.79 cw(c5043.54,955.79) 5067.07,932.26 ccw(c5043.54,955.79) 5076.81,955.79 ; 5092.25,1119.74 ccw(c5058.38,1153.61) 5106.28,1153.61 cw(c5058.38,1153.61) 5092.25,1119.74 ; 5105.69,1133.18 ccw(c5085.26,1153.61) 5114.16,1153.61 cw(c5085.26,1153.61) 5105.69,1133.18
NetJ10C_7: J10C.7 R28C.2 | length 816.2
  Top Layer w7.87: J10C.7@6647.64,1320.05 6647.64,1212.11 6681.13,1178.62 v1(6681.13,1153.62) ; 6681.13,1177.38 ccw(c6704.89,1177.38) 6688.09,1160.58 cw(c6704.89,1177.38) 6681.13,1177.38 ; 6681.13,1177.38 cw(c6657.36,1177.38) 6674.17,1160.58 ccw(c6657.36,1177.38) 6681.13,1177.38 ; J10C.7@6640.96,1284.68 cw(c6624.85,1268.57) 6647.64,1268.57 ccw(c6624.85,1268.57) J10C.7@6640.96,1284.68
  Bottom Layer w7.87: R28C.2@6641.81,922.53 6641.81,1104.31 6681.13,1143.62 v1(6681.13,1153.62) ; 6665.22,1130.99 cw(c6697.27,1122.4) v1@6682.03,1151.87 ; v1@6672.68,1148.57 cw(c6658.71,1140.21) 6674.43,1135.99 cw(c6685.07,1133.14) v1@6682.99,1143.96 ; 6641.81,955.79 ccw(c6675.08,955.79) 6651.55,932.27 cw(c6675.08,955.79) 6641.81,955.79 ; 6641.81,955.79 cw(c6608.54,955.79) 6632.07,932.27 ccw(c6608.54,955.79) 6641.81,955.79 ; 6657.25,1119.75 ccw(c6623.38,1153.62) 6671.28,1153.62 cw(c6623.38,1153.62) 6657.25,1119.75 ; 6670.69,1133.19 ccw(c6650.26,1153.62) 6679.16,1153.62 cw(c6650.26,1153.62) 6670.69,1133.19
NetJ10D_7: J10D.7 R28D.2 | length 825.2
  Top Layer w7.87: J10D.7@8212.64,1320.05 8212.64,1212.11 8246.13,1178.62 v1(8246.13,1153.62) ; 8212.64,1274.6 ccw(c8198.38,1274.6) 8208.46,1284.68 cw(c8198.38,1274.6) 8212.64,1274.6 ; 8212.64,1274.6 cw(c8226.89,1274.6) 8216.81,1284.68 ccw(c8226.89,1274.6) 8212.64,1274.6 ; 8246.13,1177.38 ccw(c8269.89,1177.38) 8253.09,1160.58 cw(c8269.89,1177.38) 8246.13,1177.38 ; 8246.13,1177.38 cw(c8222.36,1177.38) 8239.17,1160.58 ccw(c8222.36,1177.38) 8246.13,1177.38
  Bottom Layer w7.87: R28D.2@8206.81,922.53 8206.81,1104.31 8246.13,1143.62 v1(8246.13,1153.62) ; 8230.22,1130.99 cw(c8262.27,1122.4) v1@8247.03,1151.87 ; v1@8237.68,1148.57 cw(c8223.71,1140.21) 8239.43,1135.99 cw(c8250.07,1133.14) v1@8247.99,1143.96 ; 8206.81,955.79 ccw(c8240.08,955.79) 8216.55,932.27 cw(c8240.08,955.79) 8206.81,955.79 ; 8206.81,955.79 cw(c8173.54,955.79) 8197.07,932.27 ccw(c8173.54,955.79) 8206.81,955.79 ; 8222.25,1119.75 ccw(c8188.38,1153.62) 8236.28,1153.62 cw(c8188.38,1153.62) 8222.25,1119.75 ; 8235.69,1133.19 ccw(c8215.26,1153.62) 8244.16,1153.62 cw(c8215.26,1153.62) 8235.69,1133.19
NetJ10E_7: J10E.7 R28E.2 | length 825.2
  Top Layer w7.87: J10E.7@9777.64,1320.05 9777.64,1212.11 9811.13,1178.62 v1(9811.13,1153.62) ; 9777.64,1274.6 ccw(c9763.38,1274.6) 9773.46,1284.68 cw(c9763.38,1274.6) 9777.64,1274.6 ; 9777.64,1274.6 cw(c9791.89,1274.6) 9781.81,1284.68 ccw(c9791.89,1274.6) 9777.64,1274.6 ; 9811.13,1177.38 ccw(c9834.89,1177.38) 9818.09,1160.58 cw(c9834.89,1177.38) 9811.13,1177.38 ; 9811.13,1177.38 cw(c9787.36,1177.38) 9804.17,1160.58 ccw(c9787.36,1177.38) 9811.13,1177.38
  Bottom Layer w7.87: R28E.2@9771.81,922.53 9771.81,1104.31 9811.13,1143.62 v1(9811.13,1153.62) ; 9795.22,1130.99 cw(c9827.27,1122.4) v1@9812.03,1151.87 ; v1@9802.68,1148.57 cw(c9788.71,1140.21) 9804.43,1135.99 cw(c9815.07,1133.14) v1@9812.99,1143.96 ; 9771.81,955.79 ccw(c9805.08,955.79) 9781.55,932.27 cw(c9805.08,955.79) 9771.81,955.79 ; 9771.81,955.79 cw(c9738.54,955.79) 9762.07,932.27 ccw(c9738.54,955.79) 9771.81,955.79 ; 9787.25,1119.75 ccw(c9753.38,1153.62) 9801.28,1153.62 cw(c9753.38,1153.62) 9787.25,1119.75 ; 9800.69,1133.19 ccw(c9780.26,1153.62) 9809.16,1153.62 cw(c9780.26,1153.62) 9800.69,1133.19
NetJ10F_7: J10F.7 R28F.2 | length 825.2
  Top Layer w7.87: J10F.7@11342.2,1320.05 11342.2,1212.11 11375.69,1178.62 v1(11375.69,1153.62) ; 11342.2,1274.6 ccw(c11327.95,1274.6) 11338.03,1284.68 cw(c11327.95,1274.6) 11342.2,1274.6 ; 11342.2,1274.6 cw(c11356.46,1274.6) 11346.38,1284.68 ccw(c11356.46,1274.6) 11342.2,1274.6 ; 11375.69,1177.38 ccw(c11399.45,1177.38) 11382.65,1160.58 cw(c11399.45,1177.38) 11375.69,1177.38 ; 11375.69,1177.38 cw(c11351.93,1177.38) 11368.73,1160.58 ccw(c11351.93,1177.38) 11375.69,1177.38
  Bottom Layer w7.87: R28F.2@11336.38,922.53 11336.38,1104.31 11375.69,1143.62 v1(11375.69,1153.62) ; 11359.79,1130.99 cw(c11391.84,1122.4) v1@11376.6,1151.87 ; v1@11367.25,1148.57 cw(c11353.27,1140.21) 11369,1135.99 cw(c11379.64,1133.14) v1@11377.55,1143.96 ; 11336.38,955.79 ccw(c11369.64,955.79) 11346.12,932.27 cw(c11369.64,955.79) 11336.38,955.79 ; 11336.38,955.79 cw(c11303.11,955.79) 11326.63,932.27 ccw(c11303.11,955.79) 11336.38,955.79 ; 11351.82,1119.75 ccw(c11317.95,1153.62) 11365.85,1153.62 cw(c11317.95,1153.62) 11351.82,1119.75 ; 11365.26,1133.19 ccw(c11344.83,1153.62) 11373.72,1153.62 cw(c11344.83,1153.62) 11365.26,1133.19
NetJ10G_7: J10G.7 R28G.2 | length 825.2
  Top Layer w7.87: J10G.7@12907.2,1320.05 12907.2,1212.11 12940.69,1178.62 v1(12940.69,1153.62) ; 12907.2,1274.6 ccw(c12892.95,1274.6) 12903.03,1284.68 cw(c12892.95,1274.6) 12907.2,1274.6 ; 12907.2,1274.6 cw(c12921.46,1274.6) 12911.38,1284.68 ccw(c12921.46,1274.6) 12907.2,1274.6 ; 12940.69,1177.38 ccw(c12964.45,1177.38) 12947.65,1160.58 cw(c12964.45,1177.38) 12940.69,1177.38 ; 12940.69,1177.38 cw(c12916.93,1177.38) 12933.73,1160.58 ccw(c12916.93,1177.38) 12940.69,1177.38
  Bottom Layer w7.87: R28G.2@12901.38,922.53 12901.38,1104.31 12940.69,1143.62 v1(12940.69,1153.62) ; 12924.79,1130.99 cw(c12956.84,1122.4) v1@12941.6,1151.87 ; v1@12932.25,1148.57 cw(c12918.27,1140.21) 12934,1135.99 cw(c12944.64,1133.14) v1@12942.55,1143.96 ; 12901.38,955.79 ccw(c12934.64,955.79) 12911.12,932.27 cw(c12934.64,955.79) 12901.38,955.79 ; 12901.38,955.79 cw(c12868.11,955.79) 12891.63,932.27 ccw(c12868.11,955.79) 12901.38,955.79 ; 12916.82,1119.75 ccw(c12882.95,1153.62) 12930.85,1153.62 cw(c12882.95,1153.62) 12916.82,1119.75 ; 12930.26,1133.19 ccw(c12909.83,1153.62) 12938.72,1153.62 cw(c12909.83,1153.62) 12930.26,1133.19